# Altium PCB RevA2.PcbDoc (part 6 of 6)
Units mm, origin at the board's own origin, x right, y up, seen from the top; angles counter-clockwise.
Board outline 173 x 171 mm, 2 copper layers (Top Layer, Top, Bottom Layer, Bottom); 282 components, 411 nets, 1735 pads, 1978 vias.
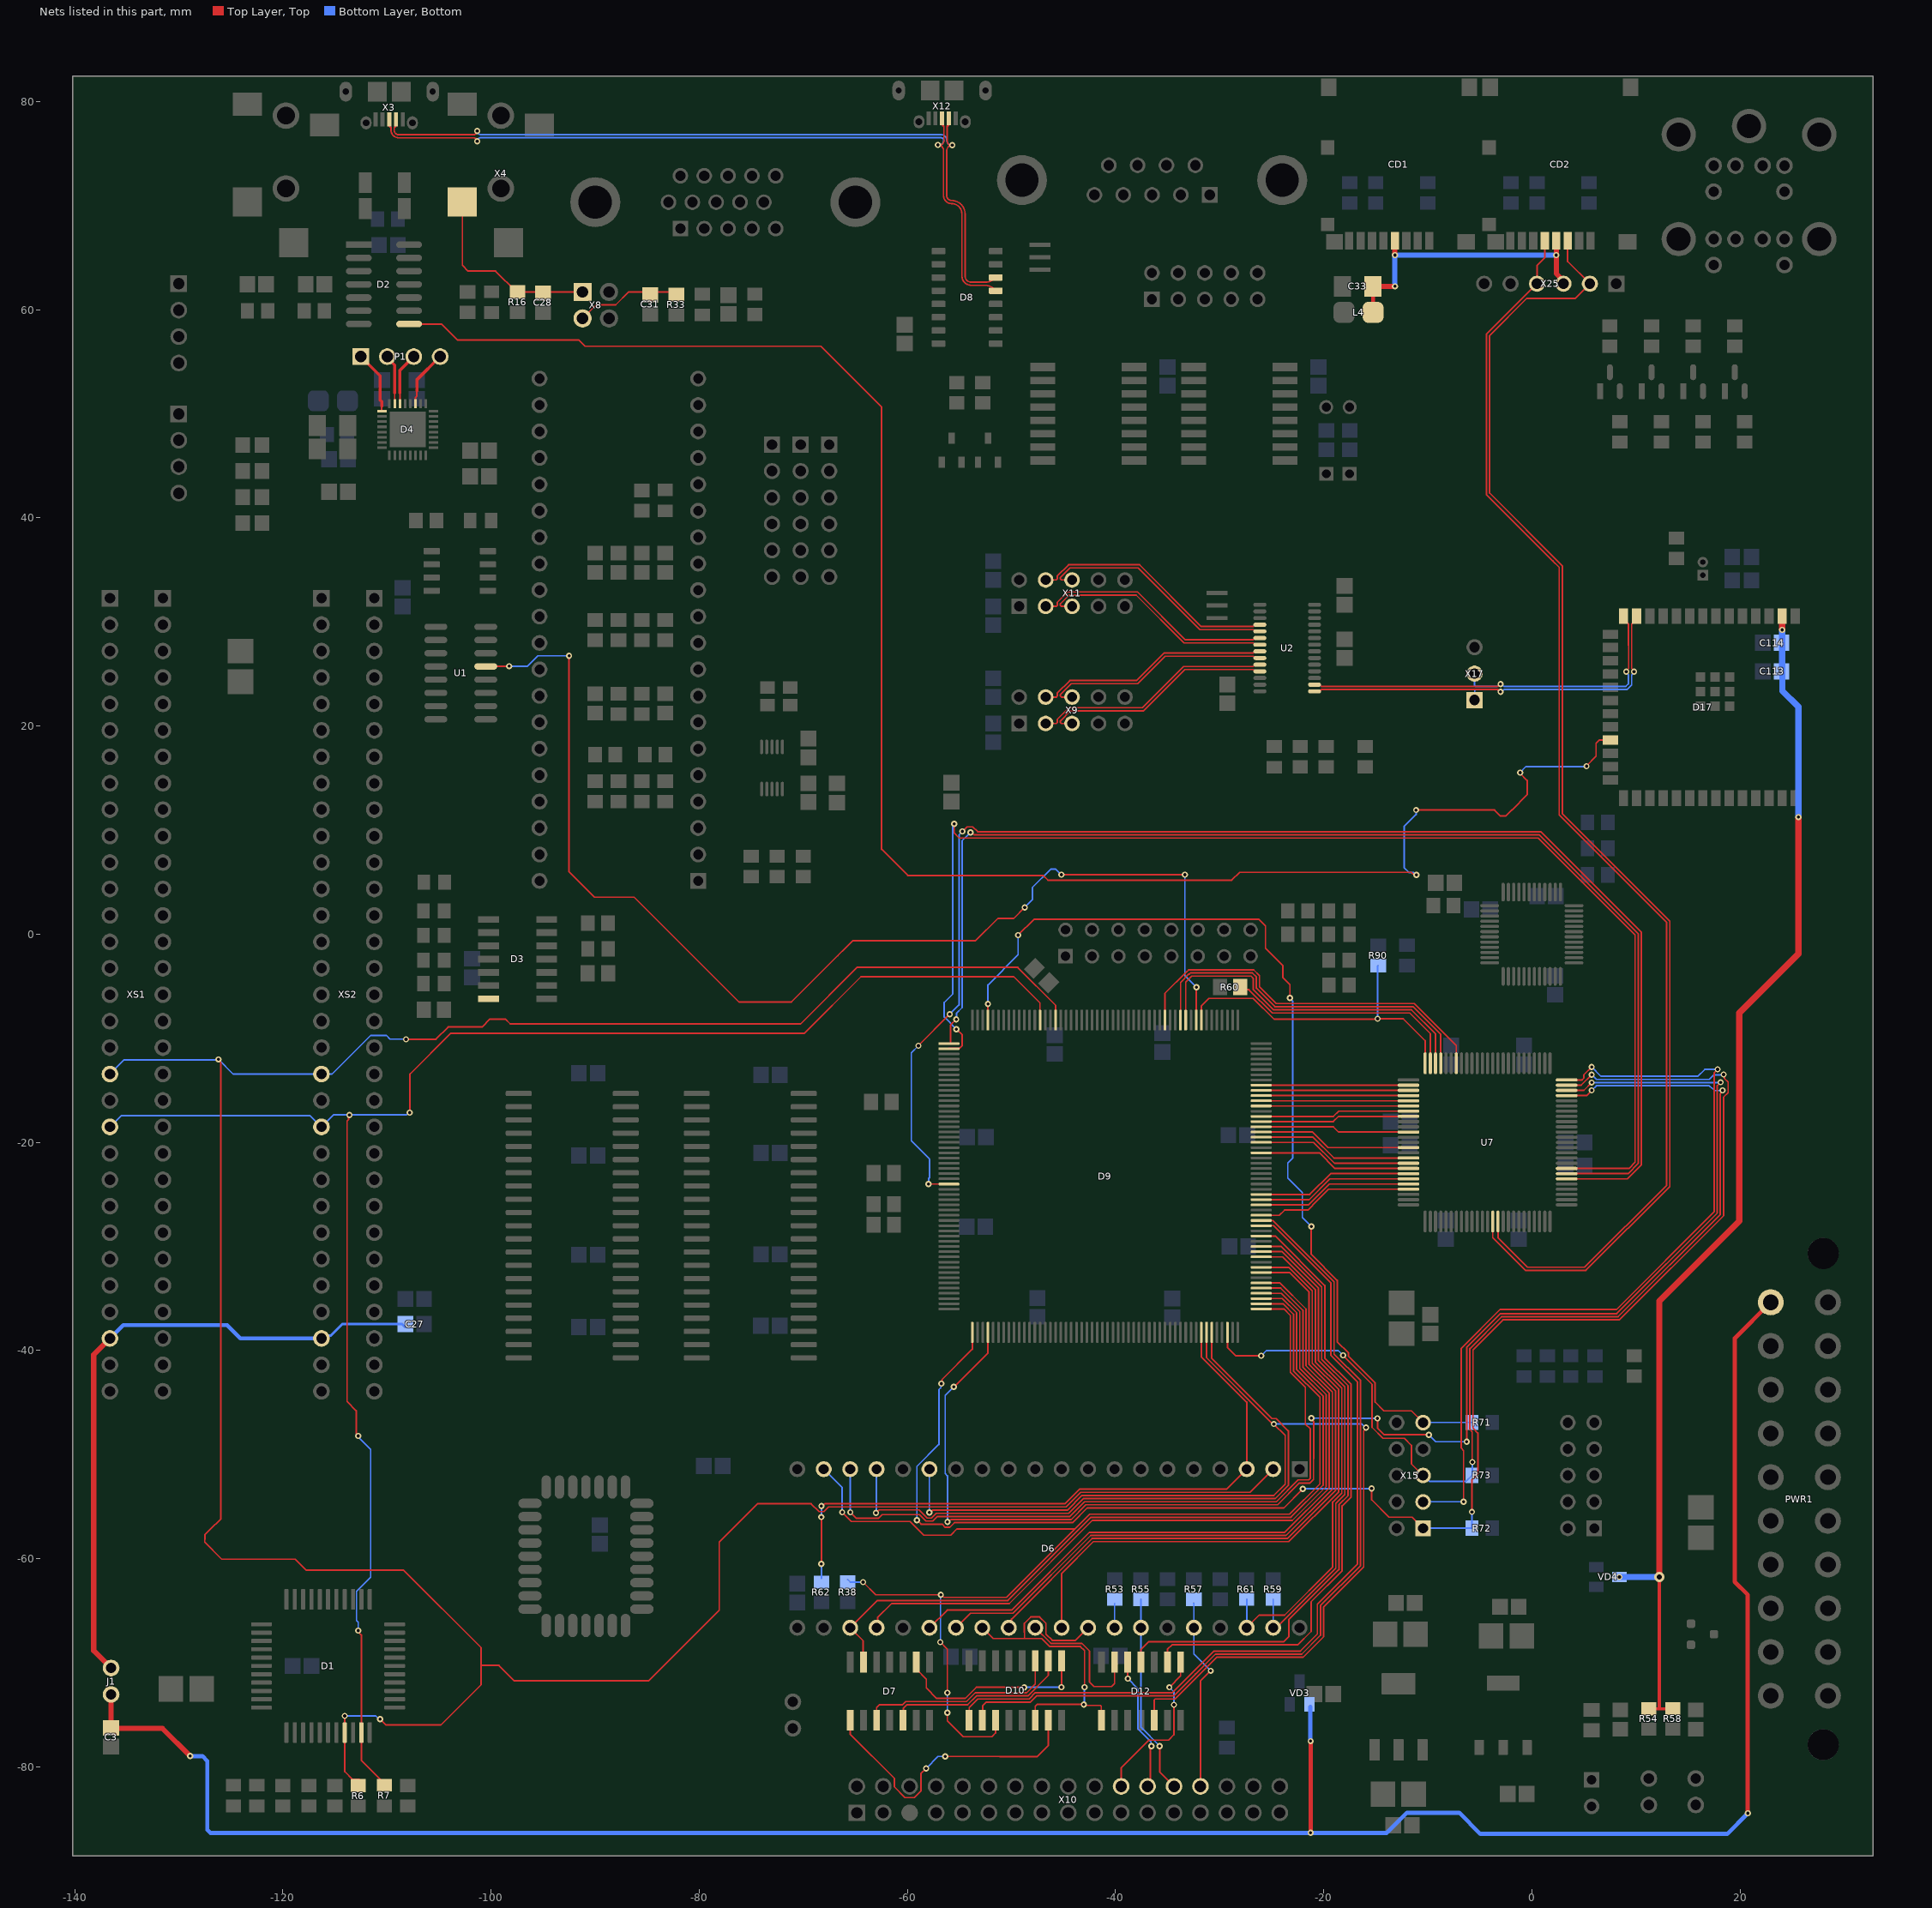
[diagram p6: the nets of this part, all layers, seen from the top]

## Via types
v1: diameter 0.6, hole 0.3, Top Layer, Top to Bottom Layer, Bottom, tented both sides, 1916 vias
v2: diameter 0.6, hole 0.3, Top Layer, Top to Bottom Layer, Bottom, tented bottom, 23 vias
v3: diameter 1, hole 0.5, Top Layer, Top to Bottom Layer, Bottom, tented both sides, 20 vias
v4: diameter 0.6, hole 0.3, Top Layer, Top to Bottom Layer, Bottom, 10 vias
v5: diameter 5.5, hole 3.96, Top Layer, Top to Bottom Layer, Bottom, 6 vias
v6: diameter 1, hole 0.5, Top Layer, Top to Bottom Layer, Bottom, 3 vias

## Nets (pads, with @x,y where several pads share a name; then routed paths per layer and width w, separated by ;. In a path a pad name is that pad's centre, name@x,y a point inside that pad or via, vN(x,y) a via of type N, cw(c..) or ccw(c..) an arc to the next point about the centre after c; other vN are vias at no path point) (continued)
SD1_MOSI_12: CD2.3 U7.89 X25.2 | length 128.8
  Top Layer, Top w0.15: U7.89@-3.75,-27.6 -3.75,-29.162 -0.617,-32.295 5.2,-32.295 13.258,-24.238 13.258,1.259 2.929,11.587 2.929,35.398 -4.057,42.384 -4.057,57.519 -0.477,61.099 4.179,61.099 X25.2@5.58,62.5 3.446,64.634 CD2.3@3.446,66.627
SD1_SCLK_12: CD2.5 U7.90 X25.4 | length 122.4
  Top Layer, Top w0.15: U7.90@-3.25,-27.6 -3.25,-29.162 -0.417,-31.995 5.076,-31.995 12.958,-24.114 12.958,1.135 2.629,11.463 2.629,35.259 2.029,35.859 2.029,35.873 -4.357,42.26 -4.357,57.643 X25.4@0.5,62.5 0.5,64.25 1.246,64.996 CD2.5@1.246,66.627
SDVCC_3V3: C33.2 CD1.4 CD2.4 L4.1 X25.3 | length 28.9
  Top Layer, Top w0.4: L4.1@-15.25,59.75 C33.2@-15.25,62.25
  Top Layer, Top w0.5: C33.2@-15.25,62.25 v1(-13.15,62.25) ; CD1.4@-13.154,66.627 CD1.4@-13.154,66.627 -13.152,65.254 v1(-13.151,65.252) ; CD2.4@2.346,66.627 v1(2.346,65.25) 2.346,63.478 3.04,62.784 X25.3@3.04,62.5
  Bottom Layer, Bottom w0.5: v1(-13.15,62.25) v1(-13.151,65.252) ; v1(-13.151,65.252) v1(-13.151,65.252) ; v1(2.346,65.25) 2.345,65.251 v1(-13.151,65.252)
SPI_HOST.MISO_1: D9.115 U7.48 | length 33.7
  Top Layer, Top w0.15: D9.115@-33.25,-8.25 -33.25,-4.593 -32.678,-4.022 -26.967,-4.022 -26.769,-4.219 -26.769,-5.309 -24.817,-7.261 -11.562,-7.261 -9.25,-9.573 U7.48@-9.25,-12.4
SPI_HOST.MOSI_1: D9.116 U7.47 | length 34.9
  Top Layer, Top w0.15: D9.116@-33.75,-8.25 -33.75,-4.625 -32.949,-3.824 -32.904,-3.824 -32.802,-3.722 -26.843,-3.722 -26.469,-4.095 -26.469,-5.185 -24.693,-6.961 -11.414,-6.961 -8.75,-9.625 U7.47@-8.75,-12.4
SPI_HOST.S\S\E\L\_1: D9.119 U7.44 | length 36.9
  Top Layer, Top w0.15: D9.119@-35.25,-8.25 -35.25,-5.673 -33.178,-3.601 -33.15,-3.601 -32.971,-3.422 -26.718,-3.422 -26.169,-3.97 -26.169,-5.06 -24.569,-6.661 -11.279,-6.661 -7.25,-10.69 U7.44@-7.25,-12.4
SPI_HOST.SCLK_1: R60.2 U7.49 | length 23
  Top Layer, Top w0.15: R60.2@-28.013,-5.079 -27.766,-5.327 -27.176,-5.327 -24.942,-7.561 -11.723,-7.561 -9.75,-9.534 U7.49@-9.75,-12.4
SPI_SLAVE.MISO_1: D9.158 U7.8 | length 122.9
  Top Layer, Top w0.15: D9.158@-56,-11 -55.95,-10.95 -54.973,-10.95 -54.725,-10.702 -54.725,-9.671 v1(-55.277,-9.119) ; v2(-55.5,10.616) -55.5,9.727 -55.022,9.25 -54.347,9.25 0.6,9.25 9.929,-0.079 9.929,-21.901 9.329,-22.5 U7.8@3.35,-22.5
  Bottom Layer, Bottom w0.15: v2(-55.5,10.616) -55.5,10.494 -55.631,10.363 -55.631,10.305 -55.633,10.302 -55.633,-5.729 -56.455,-6.551 -56.455,-7.941 v1(-55.277,-9.119)
SPI_SLAVE.MOSI_1: D9.157 U7.7 | length 118.7
  Top Layer, Top w0.15: D9.157@-56,-10.5 -55.852,-10.45 -55.852,-8.794 cw(c-55.702,-8.794) -55.808,-8.688 v1(-55.301,-8.181) ; v2(-53.94,9.791) -53.818,9.791 -53.577,9.55 0.724,9.55 10.229,0.045 10.229,-22.025 9.254,-23 U7.7@3.35,-23
  Bottom Layer, Bottom w0.15: v1(-55.301,-8.181) -55.275,-8.155 -55.275,-7.588 -54.733,-7.046 -54.733,8.998 v2(-53.94,9.791)
SPI_SLAVE.SCLK_1: D9.184 U7.6 | length 138.3
  Top Layer, Top w0.15: v1(-58.935,-10.715) -58.935,-10.703 -55.93,-7.698 v1(-55.93,-7.687) ; v1(-57.977,-23.989) -57.972,-23.995 -56.005,-23.995 D9.184@-56,-24 ; v2(-54.71,9.878) -54.267,10.321 -53.713,10.321 -53.243,9.85 0.848,9.85 10.529,0.17 10.529,-22.149 9.178,-23.5 U7.6@3.35,-23.5
  Bottom Layer, Bottom w0.15: -59.574,-19.875 -57.919,-21.53 cw(c-58.025,-21.637) -57.875,-21.637 -57.875,-23.389 -57.95,-23.464 -57.95,-23.962 v1(-57.977,-23.989) ; -59.574,-19.875 cw(c-59.469,-19.768) -59.619,-19.768 -59.619,-11.399 v1(-58.935,-10.715) ; v1(-55.93,-7.687) -55.033,-6.79 -55.033,9.555 v2(-54.71,9.878)
SPK_LN_3: D4.23 P1.2 | length 4.8
  Top Layer, Top w0.15: D4.23@-109.25,50.975 -109.25,52
  Top Layer, Top w0.3: P1.2@-109.96,55.5 -109.96,55.401 -109.25,54.691 -109.25,52
SPK_LP_3: D4.25 P1.1 | length 6.1
  Top Layer, Top w0.15: -110.5,50.75 -110.5,50.275 D4.25@-110.475,50.25
  Top Layer, Top w0.3: P1.1@-112.5,55.5 -110.652,53.652 -110.652,51.327 -110.5,51.175 -110.5,50.75
SPK_RN_3: D4.19 P1.4 | length 5.5
  Top Layer, Top w0.15: D4.19@-107.25,50.975 -107.25,51.564 -107.149,51.665 -107.149,51.669 -107.133,51.684 -107.133,52.207 -107.124,52.216
  Top Layer, Top w0.3: -107.124,52.216 -107.123,52.217 -107.123,53.257 P1.4@-104.88,55.5
SPK_RP_3: D4.22 P1.3 | length 5.1
  Top Layer, Top w0.15: D4.22@-108.75,50.975 -108.75,52
  Top Layer, Top w0.3: -108.75,52 -108.75,54.17 P1.3@-107.42,55.5
STB_3V3: C113.1 C114.1 D17.2 R54.1 R58.1 VD4.3 | length 117.4
  Top Layer, Top w0.3: R54.1@11.246,-74.411 11.249,-74.408 12.25,-74.408 ; v6(12.25,-61.75) 12.25,-74.408 ; R58.1@13.54,-74.407 12.25,-74.408
  Top Layer, Top w0.6: v6(12.25,-61.75) 12.25,-35.25 19.935,-27.565 19.935,-25.565 19.937,-25.563 19.937,-7.563 25.612,-1.888 v1(25.612,11.25) ; D17.2@24.026,30.601 D17.2@24.052,30.575 v1(24.052,29.25)
  Bottom Layer, Bottom w0.6: v1(8.413,-61.75) v6(12.25,-61.75) ; v1(24.052,29.25) 24.052,25.302 C113.1@24,25.25 24.077,25.173 24.077,23.386 25.612,21.851 v1(25.612,11.25)
STEP_1: D6.15 D9.46 D12.5 | length 108.8
  Top Layer, Top w0.15: v1(-57.878,-55.558) -57.79,-55.558 -57.565,-55.333 -44.624,-55.333 -43.209,-53.918 -24.786,-53.918 -23.688,-52.82 -23.688,-48.156 v1(-24.789,-47.054) -24.87,-47.054 -31.25,-40.674 D9.46@-31.25,-38.25 ; D12.5@-36.28,-75.52 -36.28,-73.56 -36.192,-73.472 -34.293,-73.472 -32.018,-71.197 -30.288,-69.467 -21.983,-69.467 -19.998,-67.481 -19.998,-64.631 -16.16,-60.792 -16.16,-47.71 -15.923,-47.474 v1(-15.923,-47.398)
  Bottom Layer, Bottom w0.15: v1(-57.878,-55.558) -57.878,-51.398 D6.15@-57.87,-51.39 ; v1(-24.789,-47.054) -16.322,-47.054 -15.979,-47.398 v1(-15.923,-47.398)
T\R\0\0\_5: D6.34 R55.1 X10.26 | length 19.3
  Top Layer, Top w0.15: v1(-35.754,-78) -35.754,-80.491 X10.26@-34.375,-81.87
  Bottom Layer, Bottom w0.15: R55.1@-37.55,-63.902 D6.34@-37.55,-66.63 -37.55,-76.191 -35.754,-77.987 v1(-35.754,-78)
TAPE_BIT_1: D2.8 D17.23 | length 175.9
  Top Layer, Top w0.15: D2.8@-107.112,58.63 -104.769,58.63 -103.243,57.105 -91.573,57.105 -90.967,56.499 -68.312,56.499 -62.466,50.653 -62.466,8.158 -59.958,5.65 -46.953,5.65 -46.495,5.192 -28.829,5.192 -28.071,5.95 -11.574,5.95 -11.416,5.791 -11.162,5.791 v1(-11.076,5.705) ; v2(-11.114,11.936) -3.581,11.936 -2.999,11.354 -2.523,11.354 -1.94,11.936 -1.914,11.936 -0.45,13.4 -0.45,14.781 -1.116,15.447 v1(-1.116,15.522) ; v1(5.254,16.145) 5.254,16.187 6.17,17.103 6.17,18.343 6.477,18.65 D17.23@7.562,18.65
  Bottom Layer, Bottom w0.15: v2(-11.114,11.936) -11.119,11.932 -11.119,11.499 -12.267,10.351 -12.267,6.399 -11.807,5.94 -11.389,5.94 -11.154,5.705 v1(-11.076,5.705) ; v1(-1.116,15.522) -1.116,15.559 -0.562,16.113 5.222,16.113 v1(5.254,16.145)
TAPE_IN_4: C28.1 R16.2 X4.2 X8.1 | length 18.6
  Top Layer, Top w0.15: X4.2@-102.75,70.35 -102.75,64.265 -102.201,63.716 -99.556,63.716 R16.2@-97.55,61.71 ; R16.2@-97.45,61.702 -94.75,61.702 -91.208,61.702 X8.1@-91.2,61.71
TAPE_OUT_4: C31.2 R33.2 X8.3 | length 10.1
  Top Layer, Top w0.15: X8.3@-91.2,59.17 -89.902,60.468 -88.018,60.468 -86.776,61.71 -84.7,61.71 R33.2@-82.2,61.71
TCK_FPGA_1: D9.1 R72.2 U7.24 X15.1 | length 154.4
  Top Layer, Top w0.15: v1(-59.072,-56.288) -58.678,-56.683 -56.659,-56.683 -56.359,-56.983 -55.924,-56.983 -55.474,-56.533 -44.127,-56.533 -42.712,-55.118 -23.833,-55.118 v1(-22.005,-53.291) ; v1(-56.724,-43.172) -56.669,-43.117 -56.669,-42.785 -53.75,-39.867 D9.1@-53.75,-38.25 ; v1(-15.391,-53.255) -15.391,-54.33 -13.721,-56 -11.51,-56 X15.1@-10.444,-57.066 ; v1(-5.75,-55.5) -5.75,-52.411 -5.188,-51.849 -5.188,-47.921 -5.654,-47.455 -5.654,-39.927 -2.775,-37.047 8.414,-37.047 18.43,-27.031 18.43,-15.64 18.86,-15.21 18.86,-14.198 18.504,-13.842 18.504,-13.548 v1(18.43,-13.474) ; U7.24@3.35,-14.5 4.75,-14.5 v1(5.75,-13.5)
  Bottom Layer, Bottom w0.15: v1(-59.072,-56.288) -59.072,-51.125 -56.967,-49.02 -56.967,-43.752 -56.777,-43.562 -56.777,-43.225 v1(-56.724,-43.172) ; v1(-22.005,-53.291) -21.988,-53.273 -15.409,-53.273 v1(-15.391,-53.255) ; X15.1@-10.444,-57.066 R72.2@-5.75,-57.066 v1(-5.75,-55.5) ; v1(5.75,-13.5) 6.2,-13.95 17.049,-13.95 17.491,-13.508 18.395,-13.508 v1(18.43,-13.474)
TDI_FPGA_1: D9.153 R71.2 X15.9 | length 94.7
  Top Layer, Top w0.15: v1(-52.253,-6.7) -52.252,-6.701 -52.252,-8.248 D9.153@-52.25,-8.25 ; v1(-49.351,-0.082) -47.834,1.435 -26.209,1.435 -25.592,0.818 -25.592,-1.355 -23.911,-3.036 -23.911,-4.171 -23.236,-4.846 v1(-23.236,-6.129) ; v1(-21.188,-28.08) -21.19,-28.083 -21.19,-30.761 -18.695,-33.257 -18.695,-39.142 -17.605,-40.232 -17.605,-40.56 -15.052,-43.113 -15.052,-44.948 -14.211,-45.789 -11.562,-45.789 X15.9@-10.444,-46.906
  Bottom Layer, Bottom w0.15: v1(-52.253,-6.7) -52.253,-4.875 -49.351,-1.973 v1(-49.351,-0.082) ; v1(-23.236,-6.129) -23.236,-6.165 -22.96,-6.442 -22.96,-21.5 -23.452,-21.992 -23.452,-23.431 -22.051,-24.833 -22.051,-27.217 v1(-21.188,-28.08) ; X15.9@-10.444,-46.906 R71.2@-5.75,-46.906
TDO_CPLD_1: U7.25 X15.3 | length 78.2
  Top Layer, Top w0.15: v1(-6.55,-54.52) -6.55,-49.608 -6.779,-49.379 -6.779,-39.779 -3.048,-36.048 -1.944,-36.048 -1.942,-36.05 8.138,-36.05 17.51,-26.678 17.51,-13.329 v1(17.856,-12.983) ; U7.25@3.35,-14 4.826,-14 5,-13.826 5,-13.5 v1(5.75,-12.75)
  Bottom Layer, Bottom w0.15: X15.3@-10.444,-54.526 -10.441,-54.523 -6.553,-54.523 v1(-6.55,-54.52) ; v1(5.75,-12.75) 6.65,-13.65 15.952,-13.65 16.619,-12.983 v1(17.856,-12.983)
TDO_FPGA_1: D9.4 U7.23 | length 145.6
  Top Layer, Top w0.15: v1(-56.142,-56.458) -56.054,-56.458 -55.829,-56.233 -44.251,-56.233 -42.837,-54.818 -24.414,-54.818 -22.322,-52.727 -21.31,-52.727 -20.973,-52.39 -20.973,-50.397 -20.959,-50.384 -20.959,-46.807 -21.184,-46.582 v1(-21.184,-46.494) ; v1(-55.536,-43.479) -55.502,-43.479 -52.25,-40.226 D9.4@-52.25,-38.25 ; v1(-14.827,-46.516) -14.827,-47.423 -14.16,-48.09 v1(-9.894,-48.09) ; v1(-6.254,-48.751) -6.254,-39.678 -3.023,-36.447 8.165,-36.447 17.81,-26.802 17.81,-14.554 v1(18.142,-14.222) ; U7.23@3.35,-15 5,-15 v1(5.75,-14.25)
  Bottom Layer, Bottom w0.15: v1(-56.142,-56.458) -56.142,-52.044 -56.367,-51.819 -56.367,-44.31 v1(-55.536,-43.479) ; v1(-21.184,-46.494) -18.351,-46.494 -18.329,-46.516 v1(-14.827,-46.516) ; v1(-9.894,-48.09) -9.233,-48.751 v1(-6.254,-48.751) ; v1(5.75,-14.25) 18.114,-14.25 v1(18.142,-14.222)
TMS_FPGA_1: D9.50 R73.2 U7.22 X15.5 | length 103.7
  Top Layer, Top w0.15: D9.50@-29.25,-38.25 -29.238,-38.261 -29.238,-39.688 -28.426,-40.5 v1(-26,-40.5) ; v1(-18.13,-40.46) -15.352,-43.237 -15.352,-47.374 -14.303,-48.423 -12.252,-48.423 -11.562,-49.114 -11.562,-50.904 X15.5@-10.475,-51.99 ; v1(-5.713,-50.711) -5.729,-50.695 -5.729,-47.804 -5.954,-47.579 -5.954,-39.802 -2.899,-36.747 8.289,-36.747 18.11,-26.927 18.11,-15.306 18.335,-15.081 v1(18.335,-14.993) ; U7.22@3.35,-15.5 5.25,-15.5 v1(5.75,-15)
  Bottom Layer, Bottom w0.15: v1(-26,-40.5) -25.501,-40.001 -18.588,-40.001 v1(-18.13,-40.46) ; X15.5@-10.444,-51.986 -10.407,-51.986 -9.837,-52.556 -6.304,-52.556 -5.75,-52.002 R73.2@-5.75,-51.986 -5.713,-51.949 v1(-5.713,-50.711) ; v1(5.75,-15) 6.2,-14.55 17.049,-14.55 17.274,-14.775 17.318,-14.775 17.563,-15.021 18.307,-15.021 v1(18.335,-14.993)
USB1_7_n: U2.10 X9.3 | length 23.1
  Top Layer, Top w0.15: X9.3@-46.71,20.25 -45.678,20.25 -45.59,20.338 -45.59,20.633 -44.458,21.765 -37.409,21.765 -33.444,25.73 -26.763,25.73 -26.593,25.9 U2.10@-26.125,25.9
USB1_7_p: U2.11 X9.5 | length 22.6
  Top Layer, Top w0.15: X9.5@-44.17,20.25 -45.202,20.25 -45.29,20.338 -45.29,20.509 -44.334,21.465 -37.285,21.465 -33.32,25.43 -26.763,25.43 -26.593,25.26 U2.11@-26.125,25.26
USB2_7_n: U2.8 X9.4 | length 22.6
  Top Layer, Top w0.15: X9.4@-46.71,22.79 -45.678,22.79 -45.59,22.878 -45.59,23.173 -44.382,24.381 -37.973,24.381 -35.344,27.01 -26.763,27.01 -26.593,27.18 U2.8@-26.125,27.18
USB2_7_p: U2.9 X9.6 | length 22.1
  Top Layer, Top w0.15: X9.6@-44.17,22.79 -45.202,22.79 -45.29,22.878 -45.29,23.049 -44.258,24.081 -37.849,24.081 -35.22,26.71 -26.763,26.71 -26.593,26.54 U2.9@-26.125,26.54
USB3_7_n: U2.4 X11.4 | length 23.9
  Top Layer, Top w0.15: X11.4@-46.71,34.04 -45.678,34.04 -45.59,34.128 -45.59,34.423 -44.513,35.5 -37.68,35.5 -31.75,29.57 -26.763,29.57 -26.593,29.74 U2.4@-26.125,29.74
USB3_7_p: U2.5 X11.6 | length 23.4
  Top Layer, Top w0.15: X11.6@-44.17,34.04 -45.202,34.04 -45.29,34.128 -45.29,34.299 -44.389,35.2 -37.804,35.2 -31.874,29.27 -26.763,29.27 -26.593,29.1 U2.5@-26.125,29.1
USB4_7_n: U2.6 X11.3 | length 23.3
  Top Layer, Top w0.15: X11.3@-46.71,31.5 -45.678,31.5 -45.59,31.588 -45.59,31.883 -44.589,32.884 -37.884,32.884 -33.29,28.29 -26.763,28.29 -26.593,28.46 U2.6@-26.125,28.46
USB4_7_p: U2.7 X11.5 | length 22.8
  Top Layer, Top w0.15: X11.5@-44.17,31.5 -45.202,31.5 -45.29,31.588 -45.29,31.759 -44.465,32.584 -38.008,32.584 -33.414,27.99 -26.763,27.99 -26.593,27.82 U2.7@-26.125,27.82
USB_1_n: D17.13 U2.15 X17.1 | length 41.5
  Top Layer, Top w0.15: U2.15@-20.875,23.34 -20.407,23.34 -20.237,23.51 -17.509,23.51 -3.25,23.51 -3.025,23.285 v1(-3,23.285) ; v1(9.824,25.227) 9.824,25.315 9.599,25.54 9.599,27.891 9.597,27.893 9.597,29.812 9.685,29.9 9.707,29.9 10.082,30.275 D17.13@10.082,30.575
  Bottom Layer, Bottom w0.15: X17.1@-5.5,22.5 -5.481,22.519 -5.481,23.422 -5.393,23.51 -3.313,23.51 -3.088,23.285 v1(-3,23.285) -2.912,23.285 -2.687,23.51 9.154,23.51 9.596,23.951 9.596,24.915 9.824,25.143 v1(9.824,25.227)
USB_1_p: D17.14 U2.16 X17.2 | length 41.2
  Top Layer, Top w0.15: U2.16@-20.875,23.98 -20.407,23.98 -20.237,23.81 -17.633,23.81 -3.25,23.81 -3.025,24.035 v1(-3,24.035) ; D17.14@8.812,30.575 8.812,30.275 9.187,29.9 9.209,29.9 9.297,29.812 9.297,27.743 9.299,27.741 9.299,25.54 9.074,25.315 v1(9.074,25.227)
  Bottom Layer, Bottom w0.15: X17.2@-5.5,25.04 -5.5,23.898 -5.412,23.81 -3.313,23.81 -3.088,24.035 v1(-3,24.035) -2.912,24.035 -2.687,23.81 9.03,23.81 9.296,24.075 9.296,24.884 9.074,25.106 v1(9.074,25.227)
USB_DEV_7_n: D8.6 X3.2 X12.2 | length 76.3
  Top Layer, Top w0.15: X3.2@-109.125,78.285 -109.125,77.71 cw(c-109.3,77.71) -109.3,77.535 -109.3,77.25 ccw(c-108.867,77.25) -108.867,76.817 -101.683,76.817 ccw(c-101.683,77.179) v1(-101.32,77.179) ; X12.2@-56.004,78.387 -56.004,77.812 cw(c-56.179,77.812) -56.179,77.637 -56.179,76.25 ccw(c-55.743,76.25) -55.743,75.814 v1(-55.679,75.814) ccw(c-55.679,75.275) -56.219,75.275 -56.219,70.969 ccw(c-55.75,70.969) -55.75,70.5 cw(c-55.75,69.2) -54.45,69.2 -54.45,63.239 ccw(c-53.859,63.239) -53.859,62.647 -52.483,62.647 ccw(c-52.483,63.926) -51.579,63.022 D8.6@-51.504,63.097
  Bottom Layer, Bottom w0.15: v1(-101.32,77.179) ccw(c-100.97,77.179) -100.97,76.829 -56.779,76.829 cw(c-56.779,76.25) -56.2,76.25 ccw(c-55.764,76.25) -55.764,75.814 v1(-55.679,75.814)
USB_DEV_7_p: D8.5 X3.3 X12.3 | length 76.8
  Top Layer, Top w0.15: X3.3@-109.775,78.285 -109.775,77.71 ccw(c-109.6,77.71) -109.6,77.535 -109.6,77.25 ccw(c-108.867,77.25) -108.867,76.517 -101.657,76.517 cw(c-101.657,76.179) v1(-101.32,76.179) ; v1(-57.059,75.831) cw(c-57.059,75.292) -56.519,75.292 -56.519,70.969 ccw(c-55.75,70.969) -55.75,70.2 cw(c-55.75,69.2) -54.75,69.2 -54.75,63.239 ccw(c-53.859,63.239) -53.859,62.347 -52.5,62.347 cw(c-52.5,61.199) -51.688,62.011 D8.5@-51.504,61.827 ; v1@-56.919,75.831 -56.897,75.831 ccw(c-56.897,76.25) -56.479,76.25 -56.479,77.637 cw(c-56.479,77.812) -56.654,77.812 X12.3@-56.654,78.387
  Bottom Layer, Bottom w0.15: v1(-101.32,76.179) cw(c-100.97,76.179) -100.97,76.529 -56.779,76.529 cw(c-56.779,76.25) -56.5,76.25 cw(c-56.919,76.25) -56.919,75.831 v1(-57.059,75.831)
V\G\_\C\S\_1: D6.3 D9.45 R62.1 | length 64.2
  Top Layer, Top w0.15: v1(-68.254,-55.994) v1(-68.254,-60.496) v1@-68.25,-60.5 ; v1(-68.25,-54.938) -68.162,-54.938 -67.937,-54.713 -44.853,-54.713 -43.458,-53.318 -29.318,-53.318 D6.3@-27.39,-51.39 -27.39,-44.959 -31.75,-40.599 D9.45@-31.75,-38.25
  Bottom Layer, Bottom w0.15: v1(-68.254,-60.496) -68.254,-61.896 R62.1@-68.25,-61.9 ; v1(-68.254,-55.994) -68.252,-55.992 -68.252,-54.94 v1(-68.25,-54.938)
V\G\_\R\E\S\_1: D6.19 D9.54 D10.3 R38.2 | length 118.9
  Top Layer, Top w0.15: v1(-66.259,-55.538) -65.377,-56.42 -59.728,-56.42 -58.416,-57.733 -55.826,-57.733 -55.226,-57.133 -43.878,-57.133 ; v1(-64.25,-62.25) -63.03,-63.47 v1(-56.785,-63.47) -56.709,-63.47 -56.473,-63.706 -50.452,-63.706 -43.878,-57.133 ; v1(-56.835,-68.01) -56.16,-68.685 v1(-56.16,-72.872) ; v1(-56.16,-74.78) -56.16,-75.557 -54.623,-77.095 -51.87,-77.095 -51.52,-76.745 D10.3@-51.52,-75.52 ; D9.54@-25.95,-35.5 -23.896,-35.5 -22.895,-36.501 -22.895,-41.952 -20.359,-44.488 -20.359,-52.814 -23.264,-55.718 -42.464,-55.718 -43.878,-57.133
  Bottom Layer, Bottom w0.15: D6.19@-68.02,-51.4 -66.254,-53.166 -66.254,-55.533 v1(-66.259,-55.538) ; R38.2@-65.725,-62 -65.475,-62.25 v1(-64.25,-62.25) ; v1(-56.835,-68.01) -56.81,-67.986 -56.81,-63.495 v1(-56.785,-63.47) ; v1(-56.16,-74.78) v1(-56.16,-72.872)
VCC5: D3.14
VCC12: C3.1 J1.0 PWR1.10 VD3.1 | length 234.1
  Top Layer, Top w0.4: v1(-21.25,-86.334) v1(-21.25,-77.522) ; v1(20.75,-84.453) 20.75,-63.471 19.5,-62.221 19.5,-38.819 PWR1.10@22.956,-35.363
  Top Layer, Top w0.5: J1.0@-136.5,-73.04 -136.5,-76.277 -136.477,-76.3 -131.561,-76.3 v1(-128.902,-78.959)
  Bottom Layer, Bottom w0.4: v1(-128.902,-78.959) -127.72,-78.959 -127.25,-79.43 -127.25,-86.047 -126.957,-86.34 v1@-21.282,-86.34 ; VD3.1@-21.294,-74.21 -21.272,-74.232 -21.272,-77.501 v1(-21.25,-77.522) ; v1(-21.25,-86.334) -13.927,-86.334 -11.994,-84.401 -6.974,-84.401 -4.935,-86.44 18.763,-86.44 v1(20.75,-84.453)
VCC12S: C27.1 J1.1 XS1.B29 XS2.B29 | length 63.5
  Top Layer, Top w0.5: XS1.B29@-136.61,-38.83 -138.174,-40.394 -138.174,-68.826 J1.1@-136.5,-70.5
  Bottom Layer, Bottom w0.254: XS2.B29@-116.29,-38.83 -116.032,-38.572 -115.408,-38.572 -114.291,-37.455 -108.545,-37.455 C27.1@-108.25,-37.75
  Bottom Layer, Bottom w0.4: XS1.B29@-136.91,-39.13 XS1.B29@-136.61,-38.83 -135.333,-37.553 -125.353,-37.553 -124.076,-38.83 XS2.B29@-116.29,-38.83
VDAT0: D9.96 U7.52 | length 29.2
  Top Layer, Top w0.15: D9.96@-26,-14.5 D9.96@-25.334,-14.5 ; D9.96@-25.311,-14.523 D9.96@-25.334,-14.5 ; U7.52@-11.6,-14.5 U7.52@-11.85,-14.5 ; D9.96@-25.334,-14.5 D9.96@-26,-14.5 D9.96@-25.334,-14.5 ; D9.96@-25.334,-14.5 -25.075,-14.5 U7.52@-11.85,-14.5 ; D9.96@-25.334,-14.5 U7.52@-11.85,-14.5
VDAT1: D9.94 U7.54 | length 14.4
  Top Layer, Top w0.15: D9.94@-26,-15.5 U7.54@-11.85,-15.5 U7.54@-11.6,-15.5
VDAT2: D9.92 U7.56 | length 14.4
  Top Layer, Top w0.15: D9.92@-26,-16.5 U7.56@-11.85,-16.5 U7.56@-11.6,-16.5
VDAT3: D9.89 U7.58 | length 14.4
  Top Layer, Top w0.15: D9.89@-26,-18 -19.063,-18 -18.564,-17.5 U7.58@-11.85,-17.5
VDAT4: D9.87 U7.64 | length 14.8
  Top Layer, Top w0.15: D9.87@-26,-19 -21.064,-19 -19.563,-20.5 U7.64@-11.85,-20.5
VDAT5: D9.85 U7.67 | length 15
  Top Layer, Top w0.15: D9.85@-26,-20 -20.958,-20 -18.958,-22 U7.67@-11.85,-22
VDAT6: D9.75 U7.69 | length 15
  Top Layer, Top w0.15: D9.75@-26,-25 -21.331,-25 -19.331,-23 U7.69@-11.85,-23
VDAT7: D9.73 U7.71 | length 15
  Top Layer, Top w0.15: D9.73@-26,-26 -21.461,-26 -19.461,-24 U7.71@-11.85,-24
VDAT8: D9.71 U7.72 | length 15.2
  Top Layer, Top w0.15: D9.71@-26,-27 -24.252,-27 -23.752,-26.5 -21.527,-26.5 -20.589,-25.562 -19.527,-24.5 U7.72@-11.85,-24.5
VDAT9: D9.74 U7.70 | length 15
  Top Layer, Top w0.15: D9.74@-26,-25.5 -21.399,-25.5 -19.399,-23.5 U7.70@-11.85,-23.5
VDAT10: D9.83 U7.68 | length 14.8
  Top Layer, Top w0.15: D9.83@-26,-21 -20.403,-21 -18.903,-22.5 U7.68@-11.85,-22.5
VDAT11: D9.86 U7.66 | length 15
  Top Layer, Top w0.15: D9.86@-26,-19.5 -21.018,-19.5 -19.018,-21.5 U7.66@-11.85,-21.5
VDAT12: D9.88 U7.61 | length 14.4
  Top Layer, Top w0.15: D9.88@-26,-18.5 -19.064,-18.5 -18.563,-19 U7.61@-11.85,-19
VDAT13: D9.90 U7.57 | length 15.3
  Top Layer, Top w0.15: U7.57@-11.85,-17 -18.558,-17 -19.058,-17.5 D9.90@-25.075,-17.5 ; D9.90@-25.075,-17.5 D9.90@-26,-17.5 D9.90@-25.075,-17.5
VDAT14: D9.93 U7.55 | length 14.4
  Top Layer, Top w0.15: D9.93@-26,-16 U7.55@-11.85,-16 U7.55@-11.6,-16
VDAT15: D9.95 U7.53 | length 14.4
  Top Layer, Top w0.15: D9.95@-26,-15 U7.53@-11.85,-15 U7.53@-11.6,-15
VG_A0_1: D9.69 D10.1 | length 83
  Top Layer, Top w0.15: D10.1@-54.06,-75.52 -54.05,-75.51 -54.05,-74.295 -53.234,-73.479 -52.79,-73.479 -52.786,-73.475 -48.298,-73.475 -47.695,-72.872 -34.542,-72.872 -32.618,-70.948 -30.537,-68.867 -22.232,-68.867 -20.598,-67.233 -20.598,-64.382 -16.759,-60.544 -16.759,-42.996 -19.295,-40.461 -19.295,-33.506 -24.801,-28 D9.69@-26,-28
VG_A1_1: D9.70 D10.2 | length 82.7
  Top Layer, Top w0.15: D10.2@-52.79,-75.52 -52.75,-75.48 -52.75,-74.106 -52.418,-73.775 -48.174,-73.775 -47.57,-73.172 -34.417,-73.172 -32.318,-71.072 -30.412,-69.167 -22.107,-69.167 -20.298,-67.357 -20.298,-64.507 -16.459,-60.668 -16.459,-42.872 -18.995,-40.337 -18.995,-33.381 -24.876,-27.5 D9.70@-26,-27.5
VG_CLK_1: D6.24 D9.56 | length 71.6
  Top Layer, Top w0.15: D6.24@-62.95,-66.63 -62.853,-66.533 -62.853,-65.643 -61.516,-64.306 -50.203,-64.306 -42.215,-56.318 -23.015,-56.318 -19.759,-53.063 -19.759,-44.239 -22.295,-41.704 -22.295,-36.253 -24.048,-34.5 D9.56@-26,-34.5
VG_DRQ_1: D6.38 D9.63 R61.1 | length 48
  Top Layer, Top w0.15: D6.38@-27.39,-66.63 -27.39,-66.613 -26.196,-65.42 -23.757,-65.42 -19.13,-60.793 -19.13,-54.554 -18.259,-53.684 -18.259,-43.618 -20.795,-41.083 -20.795,-34.127 -23.927,-30.995 -25.995,-30.995 D9.63@-26,-31
  Bottom Layer, Bottom w0.15: D6.38@-27.39,-66.63 R61.1@-27.39,-63.902
VG_DS0_5: D7.3 D10.11 | length 19.6
  Top Layer, Top w0.15: D7.3@-62.95,-75.52 -62.95,-74.295 -62.674,-74.019 -60.443,-74.019 -60.143,-73.719 -54.322,-73.719 -53.479,-72.875 -48.55,-72.875 -47.71,-72.035 D10.11@-47.71,-69.805
VG_DS1_5: D7.5 D10.10 | length 17.8
  Top Layer, Top w0.15: D7.5@-60.41,-75.52 -60.383,-75.493 -60.383,-74.383 -60.019,-74.019 -54.198,-74.019 -53.354,-73.175 -48.422,-73.175 -46.45,-71.203 -46.45,-69.815 D10.10@-46.44,-69.805
VG_DS2_5: D7.9 D10.9 | length 19.3
  Top Layer, Top w0.15: D7.9@-59.14,-69.932 -59.14,-70.607 -58.17,-71.577 -58.17,-72.414 -57.166,-73.419 -54.446,-73.419 -53.372,-72.344 -48.773,-72.344 v1(-48.767,-72.35) ; v1(-45.186,-72.344) -45.182,-72.34 -45.182,-69.817 D10.9@-45.17,-69.805
  Bottom Layer, Bottom w0.15: v1(-48.767,-72.35) -48.765,-72.347 -45.188,-72.347 v1(-45.186,-72.344)
VG_DS3_5: D7.1 D10.7 | length 28.9
  Top Layer, Top w0.15: D7.1@-65.49,-75.52 -65.49,-76.85 -61.24,-81.1 -61.24,-81.925 -60.22,-82.945 -59.33,-82.945 -58.7,-82.315 -58.7,-80.649 v1(-58.19,-80.139) ; v1(-56.359,-79) -51.121,-79 ; -51.131,-79.008 -51.129,-79.008 ; -51.103,-79 -51.121,-79 ; D10.7@-46.44,-75.52 -46.44,-77.931 -47.517,-79.008 -51.129,-79.008 ; -51.129,-79.008 -51.121,-79
  Bottom Layer, Bottom w0.15: v1(-58.19,-80.139) -57.05,-79 v1(-56.359,-79)
VG_HRDY_1: D6.23 D7.13 D9.55 | length 76.5
  Top Layer, Top w0.15: D6.23@-65.49,-66.63 -62.866,-64.006 -50.327,-64.006 -42.34,-56.018 -23.139,-56.018 -20.059,-52.938 -20.059,-44.363 -22.595,-41.828 -22.595,-36.377 -23.972,-35 D9.55@-26,-35 ; D6.23@-65.45,-66.6 -65.45,-66.67 -64.25,-67.87 -64.25,-69.902 D7.13@-64.22,-69.932
VG_IRQ_1: D6.39 D9.64 R59.1 | length 46.4
  Top Layer, Top w0.15: D9.64@-26,-30.5 -23.998,-30.5 -20.495,-34.003 -20.495,-40.958 -17.959,-43.494 -17.959,-53.808 -18.829,-54.678 -18.829,-60.917 -24.542,-66.63 D6.39@-24.85,-66.63
  Bottom Layer, Bottom w0.15: D6.39@-24.85,-66.63 R59.1@-24.85,-63.902
VG_MOT_5: D6.28 D6.32 D10.6 D12.1 | length 35.2
  Top Layer, Top w0.15: D6.28@-52.79,-66.63 -51.753,-67.667 -48.741,-67.667 ; D10.6@-47.71,-75.52 -47.71,-74.16 -47.55,-74 -43.204,-74 -43.041,-73.836 -42.995,-73.882 -42.995,-73.924 -42.833,-74.086 -41.448,-74.086 -41.36,-74.174 D12.1@-41.36,-75.52 ; v1(-42.971,-72.344) -42.971,-68.834 -43.366,-68.439 -46.325,-68.439 -47.097,-67.667 -48.741,-67.667 ; D6.32@-42.63,-66.63 -43.839,-67.839 -46.076,-67.839 -46.673,-67.242 -46.673,-66.2 -47.28,-65.593 -48.139,-65.593 -48.747,-66.2 -48.747,-67.059 -48.741,-67.065 -48.741,-67.667
  Bottom Layer, Bottom w0.15: v1(-43.041,-74) -42.985,-73.945 -42.985,-72.359 v1(-42.971,-72.344)
VG_RAWR_1: D6.27 D9.58 | length 65.4
  Top Layer, Top w0.15: D6.27@-55.33,-66.63 -53.928,-65.228 -49.845,-65.228 -42.374,-57.758 -23.606,-57.758 -19.159,-53.311 -19.159,-43.991 -21.695,-41.455 -21.695,-36.004 -24.199,-33.5 D9.58@-26,-33.5
VG_RCLK_1: D6.26 D9.57 | length 66.9
  Top Layer, Top w0.15: D6.26@-57.85,-66.61 -56.168,-64.928 -49.969,-64.928 -42.499,-57.458 -23.73,-57.458 -19.459,-53.187 -19.459,-44.115 -21.995,-41.58 -21.995,-36.128 -24.123,-34 D9.57@-26,-34
VG_SIDE_1: D9.65 D12.11 | length 60.4
  Top Layer, Top w0.15: D12.11@-37.55,-69.932 -37.55,-68.707 -36.81,-67.967 -23.818,-67.967 -23.347,-67.496 -23.347,-65.858 -18.529,-61.041 -18.529,-54.802 -17.659,-53.932 -17.659,-43.369 -20.195,-40.834 -20.195,-33.878 -24.073,-30 D9.65@-26,-30
VG_SL_1: D6.17 D9.47 | length 63.6
  Top Layer, Top w0.15: v1(-63.007,-55.595) -62.976,-55.595 -62.694,-55.313 -58.865,-55.313 -58.096,-56.083 -57.661,-56.083 -57.211,-55.633 -44.5,-55.633 -43.085,-54.218 -24.662,-54.218 -23.388,-52.944 -23.388,-47.713 -24.572,-46.529 -24.971,-46.529 -30.75,-40.75 D9.47@-30.75,-38.25
  Bottom Layer, Bottom w0.15: v1(-63.007,-55.595) -62.978,-55.567 -62.978,-51.418 D6.17@-62.95,-51.39
VG_SR_1: D6.18 D9.53 | length 70.1
  Top Layer, Top w0.15: v1(-65.477,-55.538) -64.895,-56.12 -62.789,-56.12 -62.432,-55.763 -58.839,-55.763 -58.22,-56.383 -57.536,-56.383 -57.086,-55.933 -44.375,-55.933 -42.961,-54.518 -24.538,-54.518 -22.446,-52.427 -21.434,-52.427 -21.273,-52.266 -21.273,-47.531 -21.75,-47.054 -21.75,-43.521 -23.195,-42.077 -23.195,-36.625 -23.82,-36 D9.53@-26,-36
  Bottom Layer, Bottom w0.15: v1(-65.477,-55.538) -65.483,-55.532 -65.483,-51.613 D6.18@-65.411,-51.541
VG_TR43_1: D6.29 D9.60 | length 62.7
  Top Layer, Top w0.15: D6.29@-50.25,-66.63 -49.988,-66.368 -49.988,-65.796 -42.25,-58.058 -23.482,-58.058 -18.859,-53.435 -18.859,-43.866 -21.395,-41.331 -21.395,-34.375 -23.27,-32.5 D9.60@-26,-32.5
VG_WD_1: D6.31 D9.61 | length 61.3
  Top Layer, Top w0.15: D6.31@-45.17,-66.63 -45.17,-61.402 -42.126,-58.358 -23.358,-58.358 -18.559,-53.56 -18.559,-43.742 -21.095,-41.207 -21.095,-34.251 -23.346,-32 D9.61@-26,-32
VG_WF_DE: D6.33 R53.1 | length 2.3
  Bottom Layer, Bottom w0.15: D6.33@-40.09,-66.63 R53.1@-40.09,-64.304
VG_WRD_1: D9.67 D12.9 | length 59.7
  Top Layer, Top w0.15: D12.9@-35.01,-69.932 -35.01,-68.71 -34.567,-68.267 -22.48,-68.267 -21.198,-66.984 -21.198,-64.134 -18.229,-61.165 -18.229,-54.927 -17.359,-54.057 -17.359,-43.245 -19.895,-40.71 -19.895,-33.754 -24.649,-29 D9.67@-26,-29
VSYNC_1: D9.112 R90.1 U7.50 | length 32.2
  Top Layer, Top w0.15: D9.112@-31.75,-8.25 -31.75,-6.899 -31.009,-6.158 -26.769,-6.158 -24.766,-8.161 -14.849,-8.161 v1(-14.811,-8.123) -12.345,-8.123 -10.25,-10.218 U7.50@-10.25,-12.4
  Bottom Layer, Bottom w0.15: v1(-14.811,-8.123) -14.811,-3.061 R90.1@-14.75,-3
W\A\I\T\_1: D1.21 D9.143 R7.1 XS1.B21 XS2.B21 | length 168
  Top Layer, Top w0.15: v1(-113.602,-17.357) -113.688,-17.443 -113.688,-17.82 -113.825,-17.957 -113.825,-44.898 -112.95,-45.773 v1@-112.95,-48 ; v1(-112.75,-66.9) -112.75,-67.022 -112.45,-67.322 D1.21@-112.45,-76.7 -112.45,-79.375 -110.519,-81.306 R7.1@-110.25,-81.306 ; v1(-107.804,-17.134) -107.804,-13.459 -107.747,-13.403 -107.747,-13.397 -103.863,-9.513 -69.886,-9.513 -64.456,-4.083 -49.763,-4.083 -47.25,-6.596 D9.143@-47.25,-8.25
  Bottom Layer, Bottom w0.15: XS1.B21@-136.934,-18.833 -135.535,-17.435 -117.365,-17.435 XS2.B21@-116.3,-18.5 ; XS2.B21@-116.29,-18.51 -115.137,-17.357 -108.148,-17.357 -107.925,-17.134 v1(-107.804,-17.134) ; v1(-112.75,-66.9) -112.75,-66.113 -112.925,-65.938 -112.925,-63.136 -111.563,-61.775 -111.563,-49.486 -112.75,-48.3 v1(-112.75,-48.2)
W\D\_5: D12.8 X10.22 | length 15.8
  Top Layer, Top w0.15: X10.22@-39.455,-81.87 -39.455,-80.088 -36.792,-77.425 -34.899,-77.425 -34.38,-76.906 v1(-34.38,-74.028) ; v1(-34.829,-72.347) -33.74,-71.258 D12.8@-33.74,-69.932
  Bottom Layer, Bottom w0.15: v1(-34.829,-72.347) -34.38,-72.795 v1(-34.38,-74.028)
W\G\_5: D12.12 X10.24 | length 13
  Top Layer, Top w0.15: v1(-38.82,-71.511) D12.12@-38.82,-69.932 ; X10.24@-36.915,-81.87 -36.64,-81.595 -36.64,-78.086 v1(-36.554,-78)
  Bottom Layer, Bottom w0.15: v1(-38.82,-71.511) -37.85,-72.481 -37.85,-76.315 -36.581,-77.584 -36.581,-77.973 v1(-36.554,-78)
W\P\_5: D6.36 R57.1 X10.28 | length 18.7
  Top Layer, Top w0.15: X10.28@-31.835,-81.87 -31.835,-71.756 v1(-30.845,-70.766)
  Bottom Layer, Bottom w0.15: R57.1@-32.5,-64.25 -32.47,-64.28 D6.36@-32.47,-66.63 -32.47,-69.142 v1(-30.845,-70.766)
W\R\_1: D1.19 D6.2 D9.140 R6.2 XS1.B19 XS2.B19 | length 293.5
  Top Layer, Top w0.15: v1(-126.175,-12.025) -126.175,-12.113 -125.95,-12.338 -125.95,-56.154 -127,-57.204 -127.488,-57.692 -127.488,-58.116 -127.5,-58.128 -127.5,-58.412 -125.874,-60.038 -118.797,-60.038 -117.735,-61.1 -108.382,-61.1 -100.95,-68.532 -100.95,-70.25 ; D1.19@-114.05,-76.8 -114.05,-80.45 -113.294,-81.206 R6.2@-112.65,-81.206 ; D1.19@-114.05,-76.7 v1(-114.05,-75.1) ; v1(-110.65,-75.4) -110.075,-75.975 -104.825,-75.975 -100.95,-72.1 -100.95,-70.25 ; v1(-108.163,-10.09) -105.289,-10.09 -104.112,-8.913 -100.862,-8.913 -100.103,-8.154 -98.608,-8.154 -98.149,-8.613 -70.259,-8.613 -64.828,-3.183 -49.39,-3.183 -45.75,-6.823 D9.140@-45.75,-8.25 ; D6.2@-24.85,-51.39 -27.078,-53.618 -43.334,-53.618 -44.729,-55.013 -67.572,-55.013 -68.028,-55.469 -68.485,-55.469 -69.241,-54.713 -74.395,-54.713 -78.074,-58.392 -78.074,-64.941 -84.868,-71.736 -97.746,-71.736 -99.232,-70.25 -100.95,-70.25
  Bottom Layer, Bottom w0.15: XS1.B19@-136.985,-13.805 -135.242,-12.062 -126.212,-12.062 v1(-126.175,-12.025) ; v1@-126.175,-12.062 -126.138,-12.062 -124.77,-13.43 XS2.B19@-116.29,-13.43 -115.27,-13.43 -111.565,-9.725 -110.054,-9.725 -109.701,-10.077 -108.177,-10.077 v1(-108.163,-10.09) ; v1(-114.05,-75.1) -111.072,-75.1 -110.772,-75.4 v1(-110.65,-75.4)
WG_5: D6.30 D12.13 | length 13.9
  Top Layer, Top w0.15: D6.30@-47.71,-66.63 -46.2,-68.139 -43.232,-68.139 -42.489,-68.882 -42.489,-71.855 -42.062,-72.282 -40.372,-72.282 -40.09,-72 D12.13@-40.09,-69.932
WRDAC_1: D9.113 U1.13 | length 114.2
  Top Layer, Top w0.15: U1.13@-100.5,25.73 -100.49,25.74 -98.26,25.74 v1(-98.25,25.75) ; v1(-92.5,26.75) -92.5,5.995 -90.068,3.563 -86.245,3.563 -76.169,-6.513 -71.133,-6.513 -66.685,-2.065 -65.87,-1.25 -65.228,-0.608 -53.429,-0.608 -51.298,1.523 -49.768,1.523 v1(-48.722,2.57) ; v1(-45.201,5.719) -45.199,5.722 -33.329,5.722 v1(-33.326,5.725) ; D9.113@-32.25,-8.25 -32.234,-8.234 -32.234,-5.095 v1(-32.219,-5.079)
  Bottom Layer, Bottom w0.15: v1(-98.25,25.75) -96.497,25.75 -95.497,26.75 v1(-92.5,26.75) ; v1(-48.722,2.57) -47.979,3.312 -47.979,4.488 -46.217,6.25 -45.732,6.25 v1(-45.201,5.719) ; v1(-33.326,5.725) -33.326,-3.972 v1(-32.219,-5.079)
pads on no net: CD1.9 CD1.10 CD2.9 CD2.10 D1.11 D1.17 D1.33 D1.39 D4.1 D4.27 D4.30 D5.2 D5.5 D5.6 D5.7 D5.8 D5.9 D5.10 D5.11 D5.12 D5.13 D5.14 D5.15 D5.16 D5.17 D5.18 D5.19 D5.20 D5.21 D5.39 D6.1 D6.25 D8.15 D9.62 D10.12 D10.13 D10.14 D10.15 J5.5 J5.6 J21.12 PWR1.12 PWR1.18 PWR1.21 PWR1.22 RAM1.11 RAM1.12 RAM1.15 RAM1.16 RAM1.32 RAM2.11 RAM2.12 RAM2.15 RAM2.16 RAM2.32 U1.16 U3.13 U4.13 U6.36 U7.1 U7.2 U7.3 U7.62 U7.76 U7.77 U7.98 U7.99 U7.100 X3.1 X3.4 X4.3 X4.4 X4.5 X4.6 X7.4 X7.5 X7.9 X7.11 X7.12 X7.15 X10.2 X10.4 X10.5 X10.34 X12.1 X12.4 X16.2 X16.6 X16.8 X16.12 X22.1 X23.1 X24.1 XS1.A5 XS1.A8 XS1.A17 XS1.A18 XS1.B4 XS1.B5 XS1.B20 XS1.B22 XS1.B23 XS2.A5 XS2.A8 XS2.A17 XS2.A18 XS2.A31 XS2.B4 XS2.B5 XS2.B20 XS2.B22 XS2.B23 XS2.B31
copper on no net:
  other v5: -131.53,-83.14 25.95,-83.14 25.95,48.94 -131.53,71.8

## Polygon pours and split planes (outlines as drawn)
GND on Top Layer, Top "Top Layer, Top-GND" (solid, remove dead copper, pour order 10): 32.8,-88.54 32.8,82.46 -140.2,82.46 -140.2,-88.54
GND on Top Layer, Top "GND_L01_P026" (solid, pour order 26): -3.25,3.25 -3.25,-3.25 3.25,-3.25 3.25,3.25
GND on Top Layer, Top "GND_L01_P023" (solid, pour order 23): 14.75,25.5 14.75,19.387 20.5,19.387 20.5,25.5
GND on Top Layer, Top "GND_L01_P028" (solid, pour order 28): -10.25,-26.002 -10.25,-14 1.75,-14 1.75,-26.002
3V3 on Top Layer, Top "Top Layer, Top-VCC3V3" (solid, pour order 6): -53.25,-35.8 -28.25,-35.8 -28.25,-10.6 -50.25,-10.6 -53.25,-13.6
GND on Bottom Layer, Bottom "Bottom Layer, Bottom-GND" (solid, remove dead copper, pour order 29): 32.8,82.46 -140.2,82.46 -140.2,-88.54 32.8,-88.54
2V5 on Bottom Layer, Bottom "Bottom Layer, Bottom-VCC2V5" (solid, pour order 12): -28.25,-35.8 -28.25,-10.6 -50.6,-10.6 -53.25,-13.25 -53.25,-35.8
3V3 on Bottom Layer, Bottom "3V3_L02_P018" (solid, pour order 18): -9.25,-15 -9.25,-25 0.75,-25 0.75,-15

## Keep-outs
Top Layer, Top:
  region: -50.25,67.25 -50.25,63 -45.5,63 -45.5,66.137 -45.5,67.25
  region: -140.25,82.5 -140.2,82.45 -140.2,37.71 -97.7,37.71 -97.7,56.5 -73.502,56.5 -73.5,65.21 -93.2,65.21 -93.2,81.137 -104.504,81.137 -104.504,76.137 -115.2,76.137 -115.2,82.46
  lines w0.1: -69.5,21 -69.5,21.2
Bottom Layer, Bottom:
  lines w0.05: -140.2,37.71 -140.2,44.96 -140.2,60.648 -140.2,68.21 ; -113.75,56.46 -113.75,51.747 -111.253,49.25 -110,49.25 ; -97.7,37.71 -97.7,37.71 ; -115.2,56.46 -115.2,56.46
  lines w0.1: 14.25,21.604 14.25,19 16.854,19 ; 14.25,22.624 14.25,25.227 16.854,25.227 ; 18.146,19 20.75,19 20.75,21.604 ; 18.146,25.25 20.75,25.25 20.75,22.646
Keep-Out Layer, Board:
  region: 26,-1.75 25.95,-1.7 25.95,46 48.25,46 48.25,-1.75
  lines w0.05: -140.2,37.71 -99.95,37.71 ; -115.202,82.465 -115.199,82.462 -115.199,76.137 -114.588,76.137 -109.408,76.137 -108.254,76.137 -104.504,76.137 -104.504,81.137 -102.115,81.137 -97.754,81.137 -93.2,81.137 -93.2,65.21 -73.5,65.21 -73.5,57.409 ; -115.2,82.451 -115.2,56.5 -97.7,56.5 -97.7,37.71 ; -110,37.708 -110,48.5 ; -110,49.25 -110,50.5 -109,50.5 ; -108.22,50.5 -106,50.5 -103.25,53.25 -103.25,56.46 ; -98.7,37.71 -97.7,37.71 ; -97.752,56.498 -73.5,56.498
  lines w0.1: -75.25,21.185 -75.25,26.25 -69.5,26.25 -69.5,21.2 ; -75.25,21.2 -74.55,20.5 -73.35,20.5 ; -72.15,20.5 -70,20.5 -69.5,21

## Other copper
Bottom Layer, Bottom:
  pour cut-out: 22.267,52.75 22.14,52.623 22.14,45.257 22.267,45.13 29.633,45.13 29.76,45.257 29.76,52.623 29.633,52.75
  pour cut-out: 22.267,-79.33 22.14,-79.457 22.14,-86.823 22.267,-86.95 29.633,-86.95 29.76,-86.823 29.76,-79.457 29.633,-79.33
  pour cut-out: -135.213,75.61 -135.34,75.483 -135.34,68.117 -135.213,67.99 -127.847,67.99 -127.72,68.117 -127.72,75.483 -127.847,75.61
  pour cut-out: -135.213,-79.33 -135.34,-79.457 -135.34,-86.823 -135.213,-86.95 -127.847,-86.95 -127.72,-86.823 -127.72,-79.457 -127.847,-79.33

## Silkscreen, mask and mechanical layers (free items; w line width, h text height)
Top Overlay, Top Silk:
  lines w0.254: -124.01,84.5 34.74,84.5 ; -24.85,81.96 28.49,81.96
  text "AUDIO OUT" at -126.75,77.75 h2 r270
  text "TAPE IN" at -96,75 h1.8 r270
  text "VGA" at -69.25,64 h2
  text "IN" at -92.95,61.46 h0.79 r90
  text "OUT" at -92.95,57.96 h0.79 r90
  text "TAPE" at -89.2,56.71 h0.79
  text "YM2149" at -92.75,49.75 h2 r270
  text "AY38910" at -91,49.642 h2 r270
  text "SDA" at -77.15,44.272 h1.3
  text "SCL" at -77.066,41.744 h1.3
  text "5V" at -77.085,39.17 h1.3
  text "ZXBUS1" at -139.25,38 h3
  text "ZXBUS2" at -119,38 h3
  text "3.3V" at -77.066,36.651 h1.3
  text "GND" at -77.186,34.121 h1.3
  text "GPIO" at -44.306,2.035 h1.8
  text "ZX Revolution / revision  A2" at 13.75,-3.75 h4 r270
  text "WWW.NEDOPC.COM" at 10.25,-4 h1.6 r270
  text "based on the" at 11.917,-4 h1.52 r270
  text "(C) 2011" at 8.75,-13 h1.6 r270
  text "w" at 23.75,-16.75 h5 r270
  text "+2.5" at -18.215,-36.934 h1
  text "+3.3" at -17.215,-38.571 h1
  text "VG93" at -50.5,-49.05 h2
  text "ROM" at -95,-50.3 h2
  text "FPGA JTAG" at -17.039,-61.672 h1.8 r90
  text "+3.3 standby" at 13,-62.062 h1
  text "12V enable" at -134.75,-70.25 h0.79 r270
  text "FDI" at -22.25,-78.75 h2
  text "Hard" at 13,-80 h1 r270
  text "Soft" at 17.5,-80.25 h1 r270
  text "PWRLED" at 9.246,-80.863 h0.79 r270
  text "reset" at 17.5,-82.75 h1 r270
  text "reset" at 13,-82.853 h1 r270
Mechanical 1, Top Assy:
  lines w0.05: -123.029,85.044 -115.105,85.044 ; -102.532,85.831 -96.588,85.831
  lines w0.15: -140.2,-88.54 32.8,-88.54 32.8,82.46 -140.2,82.46 -140.2,-88.54
Top Value:
  lines w0.15: -27.508,4.5 -27.108,4.5 -26.526,3.918 -26.526,1.961 -24.5,-0.065 -24,-0.065 ; -27.508,5.5 -27.072,5.5 -25.75,4.178 -25.75,2.75 -25.25,2.25 -24,2.25 ; -17,-2.5 -16.5,-2.5 -16,-3 -16,-7.373 -14.997,-8.376 -10.75,-8.376 ; 7.5,51.5 7.5,50.75 7,50.25 4.5,50.25 ; 11.5,51.5 11.5,50.75 11,50.25 4.5,50.25 ; 13,34.5 13,35.25 13.25,35.5 ; 15.5,51.5 15.5,50.75 15,50.25 4.5,50.25 ; 19.5,51.5 19.5,50.75 19,50.25 4.5,50.25
  text "12 MHz" at -45.25,67 h1.3 r270
  text "RXD" at -50.388,59 h1.2
  text "TXD" at -50.388,57.75 h1.2
  text "BSS138" at 0,49.764 h1.3
  text "BC817" at -57.606,42.217 h1.3
  text "BC817" at -53.5,42.217 h1.3
  text "USB_N" at 9.816,34.538 h1 r270
  text "USB_P" at 8.604,34.508 h1 r270
  text "DCLK" at 12.627,34.348 h1 r270
  text "12 MHz" at -32.75,33.5 h1.3 r270
  text "STATUS" at 11.076,29.499 h1 r270
  text "DATA0" at 12.404,29.509 h1 r270
  text "MOUSE_CLK" at 17.519,29.504 h1 r270
  text "KEYB_CLK" at 18.793,29.512 h1 r270
  text "MOUSE_DAT" at 20.091,29.52 h1 r270
  text "PRGRST" at 22.511,29.5 h1 r270
  text "KEYB_DAT" at 21.365,29.48 h1 r270
  text "DCLK" at 13.56,29.467 h1 r270
  text "X2" at 14.834,29.429 h1 r270
  text "X1" at 16.137,29.437 h1 r270
  text "CPLD_SSEL" at 1.107,28.625 h1
  text "IO46" at 4.425,27.302 h1
  text "25 MHz" at -74.251,26.764 h1.3
  text "CONFIG_DONE" at -0.355,25.802 h1
  text "S_SSEL" at 2.956,24.736 h1
  text "S_MISO" at 2.956,23.483 h1
  text "S_SCLK" at 2.853,22.239 h1
  text "S_MOSI" at 2.919,20.995 h1
  text "CONFIG" at 2.816,19.547 h1
  text "SOFTRESET" at 8.518,19.56 h1 r270
  text "TAPE_BIT" at 2.03,18.433 h1
  text "M_SCLK" at 11.079,17.868 h1 r270
  text "DACLRC" at 16.111,17.855 h1 r270
  text "ADCDAT" at 18.674,17.855 h1 r270
  text "DACDAT" at 17.393,17.819 h1 r270
  text "M_SSEL" at 13.559,17.775 h1 r270
  text "I2C_SDA" at 23.781,17.744 h1 r270
  text "M_MOSI" at 9.798,17.721 h1 r270
  text "M_MOSI" at 12.322,17.712 h1 r270
  text "I2C_SCL" at 22.537,17.713 h1 r270
  text "ATX POWER" at 0.87,17.058 h1
  text "BCLK" at 14.812,16.547 h1 r270
  text "RXD" at 19.935,15.945 h1 r270
  text "TXD" at 21.114,15.937 h1 r270
  text "SPI_IRQ" at 2.73,15.844 h1
  text "IO45" at 4.293,14.498 h1
  text "CONFIG" at -31.279,5.229 h1
  text "STATUS" at -31.306,4.245 h1
  text "CONFIG_DONE" at -10.468,-8.866 h1
  text "2.5 V" at -14.251,-75.734 h1.52
  text "3.3 V" at -4,-75.734 h1.52

## Text inside footprints (layer, text, board x,y; h text height)
D4: Top Value "WM8960" at -109.223,46.749 h1.2 r45
D11: Top Value "Si5351A" at -75.006,12.365 h1.2
D18: Top Value "SST39SF040" at -93.981,-56.035 h1.5 r270
U6: Top Value "ADV7125" at -2.371,-0.396 h1.25
X3: Mechanical 1, Top Assy "PCB EDGE" at -109.775,79.46 h1 r180
X7: Top Overlay, Top Silk "15" at -77.482,73.612 h1.02; Mechanical 2, Bot Assy "PCB Edge" at -77.482,73.612 h1.02 r180
X12: Mechanical 1, Top Assy "PCB EDGE" at -56.654,79.562 h1 r180
X13: Top Overlay, Top Silk "9" at -36.486,75.728 h1.02 r180; Mechanical 2, Bot Assy "PCB Edge" at -36.486,75.728 h1.02 r180